# KiCad board input-output.Media.kicad_pcb (continued)
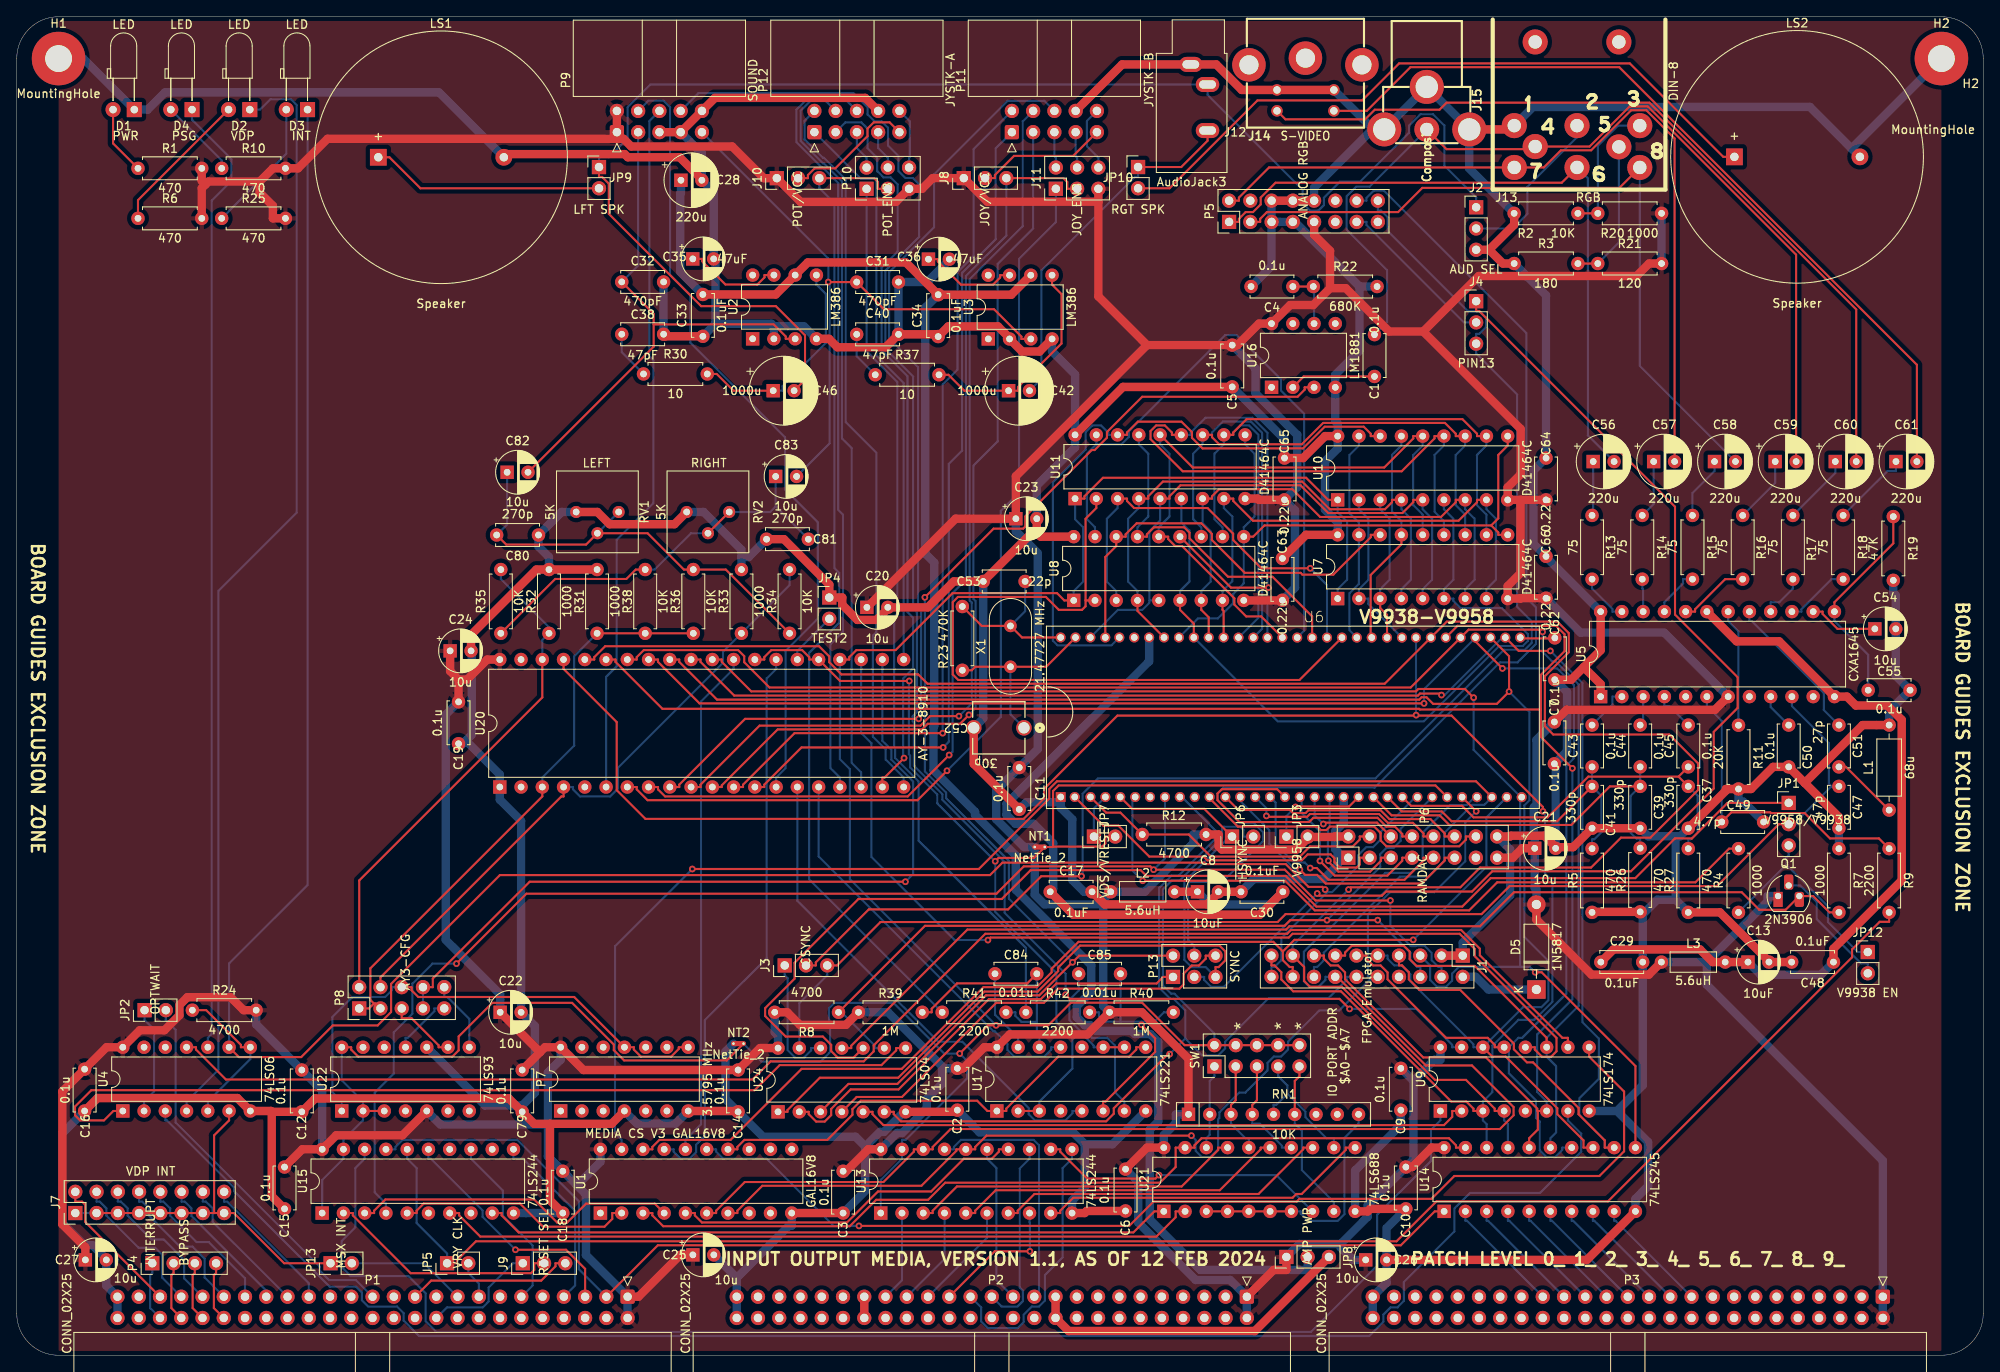
[diagram p0: board, top side]
## Footprints (pads in the part's own frame, mm; a bottom-side part is the same pattern mirrored in y, then rotated) (continued)
TO-92_HandSolder
  rect 1.1x1.8 hole 0.75: 1(0,0)
  rrect 1.1x1.8 hole 0.75: 2(1.27,1.27) 3(2.54,0)

## Nets
+12V: JP8.3 P2.19 P2.20
-12V: P2.37 P2.38
/VDP/VCCO: D5.1 J1.2
GND: C2.2 C3.2 C4.2 C5.2 C6.2 C7.2 C8.2 C9.2 C10.2 C11.2 C12.2 C13.2 C14.2 C15.2 C16.2 C17.2 C18.2 C19.2 C20.2 C21.2 C22.2 C23.2 C24.2 C25.2 C26.2 C27.2 C28.2 C29.2 C30.2 C31.2 C32.2 C33.1 C34.1 C35.2 C36.2 C37.2 C38.2 C39.2 C40.2 C41.2 C47.2 C48.2 C49.2 C50.2 C52.2 C53.2 C54.2 C55.2 C62.2 C63.2 C64.2 C65.2 C66.2 C79.2 C80.1 C81.2 D1.1 H1.1 H2.1 J1.1 J1.3 J2.3 J12.S J13.1 J14.1 J14.2 J15.2 JP4.1 L1.2 LS1.2 LS2.2 NT2.1 P1.49 P1.50 P2.49 P2.50 P3.49 P3.50 P5.5 P5.6 P5.7 P5.8 P5.10 P6.1 P6.16 P7.4 P7.7 P9.5 P9.7 P9.10 P11.8 P12.8 R2.1 R3.1 R5.1 R7.1 R11.2 R19.2 R22.2 R26.1 R27.1 R31.2 R32.2 R33.2 RV1.1 RV2.1 U1.10 U2.2 U2.4 U3.2 U3.4 U4.7 U5.1 U5.24 U6.1 U6.20 U7.18 U8.18 U9.8 U10.18 U11.18 U13.10 U14.10 U15.10 U16.4 U17.8 U20.1 U21.10 U22.10 U24.7
VCC: C2.1 C3.1 C5.1 C6.1 C7.1 C9.1 C10.1 C11.1 C12.1 C14.1 C15.1 C16.1 C18.1 C19.1 C20.1 C21.1 C22.1 C23.1 C24.1 C25.1 C26.1 C27.1 C63.1 C64.1 C65.1 C66.1 C79.1 D5.2 J8.1 J10.1 J11.5 JP3.2 JP8.1 L2.1 L3.1 NT1.1 P1.1 P1.2 P2.1 P2.2 P3.1 P3.2 P5.9 P6.2 P6.15 P7.14 P9.1 P9.2 P10.5 Q1.1 R1.2 R6.2 R8.2 R10.2 R12.2 R20.2 R21.2 R24.2 R25.2 R39.1 R40.1 RN1.1 U1.20 U4.14 U5.7 U7.9 U8.9 U9.16 U10.9 U11.9 U13.20 U14.20 U15.20 U16.8 U17.16 U20.40 U21.20 U22.5 U24.14
VCCRGB: C13.1 C29.1 C48.1 L3.2 U5.12 U5.19
VCCVDP: C8.1 C17.1 C30.1 L2.2 U6.58
/ACR/STATUS-PSG: U4.11 U9.10
/ACR/STATUS-VDP: U4.3 U9.7
/Amplifier/AMPPWR: C28.1 C33.2 C34.2 JP8.2 U2.6 U3.6
/Amplifier/R-CH: C42.2 J12.R JP10.1
/bus/A8: P2.17
/bus/A9: P2.15
/bus/A10: P2.13
/bus/A11: P2.11
/bus/A12: P2.9
/bus/A13: P2.7
/bus/A14: P2.5
/bus/A15: P2.3
/bus/A16: P2.36
/bus/A17: P2.34
/bus/A18: P2.32
/bus/A19: P2.30
/bus/A20: P2.28
/bus/A21: P2.26
/bus/A22: P2.24
/bus/A23: P2.22
/bus/A24: P2.18
/bus/A25: P2.16
/bus/A26: P2.14
/bus/A27: P2.12
/bus/A28: P2.10
/bus/A29: P2.8
/bus/A30: P2.6
/bus/A31: P2.4
/bus/AUXCLK0: P2.48
/bus/AUXCLK1: P2.47
/bus/AUXCLK2: P3.48
/bus/AUXCLK3: P3.46
/bus/CRUCLK: P1.14
/bus/CRUIN: P1.18
/bus/CRUOUT: P1.16
/bus/D8: P3.17
/bus/D9: P3.15
/bus/D10: P3.13
/bus/D11: P3.11
/bus/D12: P3.9
/bus/D13: P3.7
/bus/D14: P3.5
/bus/D15: P3.3
/bus/D16: P3.34
/bus/D17: P3.32
/bus/D18: P3.30
/bus/D19: P3.28
/bus/D20: P3.26
/bus/D21: P3.24
/bus/D22: P3.22
/bus/D23: P3.20
/bus/D24: P3.18
/bus/D25: P3.16
/bus/D26: P3.14
/bus/D27: P3.12
/bus/D28: P3.10
/bus/D29: P3.8
/bus/D30: P3.6
/bus/D31: P3.4
/bus/E: P1.4
/bus/I2C_SCL: P1.47
/bus/I2C_SDA: P1.48
/bus/IC0: P2.45
/bus/IC1: P2.43
/bus/IC2: P2.41
/bus/IC3: P2.39
/bus/IPL0: P3.47
/bus/IPL1: P3.45
/bus/IPL2: P3.43
/bus/LDS: P3.38
/bus/PHI: P1.8
/bus/S0: P3.44
/bus/S1: P3.42
/bus/S2: P3.40
/bus/ST: P1.6
/bus/UDS: P3.36
/bus/USER0: P1.38
/bus/USER1: P1.36
/bus/USER2: P1.34
/bus/USER3: P1.32
/bus/USER4: P1.30
/bus/USER5: P1.28
/bus/USER6: P1.26
/bus/USER7: P1.24
/bus/USER8: P1.22
/bus/~{BHE}: P3.41
/bus/~{BUSACK}: P1.13
/bus/~{BUSERR}: P3.35
/bus/~{BUSRQ}: P1.23
/bus/~{DREQ0}: P2.46
/bus/~{DREQ1}: P2.42
/bus/~{HALT}: P1.27
/bus/~{INT1}: P1.12
/bus/~{INT2}: P1.10
/bus/~{MREQ}: P1.9
/bus/~{NMI}: P1.19
/bus/~{RFSH}: P1.29
/bus/~{TEND0}: P2.44
/bus/~{TEND1}: P2.40
/bus/~{VMA}: P3.39
/bus/~{VPA}: P3.37
/PSG/CLK_AY3: P7.8 P7.11 P8.6 U22.1
/PSG/JOYAD: P12.2 U20.20
/PSG/JOYAF: P12.6 U20.17
/PSG/JOYAL: P12.3 U20.19
/PSG/JOYAR: P12.4 U20.18
/PSG/JOYAU: P12.1 U20.21
/PSG/JOYBD: P11.2 U20.12
/PSG/JOYBF: P11.6 U20.9
/PSG/JOYBG: J8.3 J11.3 U20.8
/PSG/JOYBH: J11.1 U20.7
/PSG/JOYBL: P11.3 U20.11
/PSG/JOYBR: P11.4 U20.10
/PSG/JOYBU: P11.1 U20.13
/PSG/POTA1: J10.3 P10.3 R41.1
/PSG/POTA2: P10.1 R42.1
/PSG/PWA1: U17.13 U20.16
/PSG/PWA2: U17.5 U20.15
/PSG/SPAREA: P9.4 U20.14
/PSG/SPAREB: P9.6 U20.6
/VDP/AD0: U6.49 U7.14 U8.14 U10.14 U11.14
/VDP/AD1: U6.50 U7.13 U8.13 U10.13 U11.13
/VDP/AD2: U6.51 U7.12 U8.12 U10.12 U11.12
/VDP/AD3: U6.52 U7.11 U8.11 U10.11 U11.11
/VDP/AD4: U6.53 U7.8 U8.8 U10.8 U11.8
/VDP/AD5: U6.54 U7.7 U8.7 U10.7 U11.7
/VDP/AD6: U6.55 U7.6 U8.6 U10.6 U11.6
/VDP/AD7: U6.56 U7.10 U8.10 U10.10 U11.10
/VDP/AUDIO: J2.2 J13.2
/VDP/AV: J13.3 R2.2 R20.1
/VDP/BLANK: U6.7
/VDP/BLUE: C37.1 C45.1 R27.2 U6.24
/VDP/BOUT: C58.2 J13.8 P5.3
/VDP/C0: P6.5 U6.19
/VDP/C1: P6.6 U6.18
/VDP/C2: P6.7 U6.17
/VDP/C3: P6.8 U6.16
/VDP/C4: P6.9 U6.15
/VDP/C5: P6.10 U6.14
/VDP/C6: P6.11 U6.13
/VDP/C7: P6.12 U6.12
/VDP/CBDR: P6.14 U6.11
/VDP/CHROMA: C61.2 J14.4
/VDP/COMP: C1.1 C59.2 J13.4 J15.1
/VDP/GOUT: C57.2 J13.7 P5.2
/VDP/GREEN: C39.1 C44.1 R26.2 U6.22
/VDP/LUMA: C60.2 J14.3
/VDP/RED: C41.1 C43.1 R5.2 U6.23
/VDP/ROUT: C56.2 J13.6 P5.1
/VDP/SYNCIN: C47.1 J3.3 JP1.2 U5.10 U24.13
/VDP/VBY: U6.10
/VDP/VD0: U6.41 U7.2 U10.2
/VDP/VD1: U6.42 U7.3 U10.3
/VDP/VD2: U6.43 U7.15 U10.15
/VDP/VD3: U6.44 U7.17 U10.17
/VDP/VD4: U6.45 U8.2 U11.2
/VDP/VD5: U6.46 U8.3 U11.3
/VDP/VD6: U6.47 U8.15 U11.15
/VDP/VD7: U6.48 U8.17 U11.17
/VDP/VGA-CSYNC: J3.2 J4.3 P5.16
/VDP/VGA-HSYNC: J4.1 P13.3
/VDP/VGA-VSYNC: P5.14 P13.4
/VDP/VSYNC: P13.2 U16.3 U24.3
/VDP/YS: J13.5 R3.2 R21.1
/VDP/~{CAS0}: U6.61 U7.16 U8.16
/VDP/~{CAS1}: U6.60 U10.16 U11.16
/VDP/~{CSYNC}: R4.2 U6.6
/VDP/~{DHCLK}: P6.3 U6.2
/VDP/~{DLCLK}: P6.4 R12.1 U6.3
/VDP/~{HSYNC}: JP6.1 P13.5 U6.5 U24.1
/VDP/~{RAS}: U6.62 U7.5 U8.5 U10.5 U11.5
/VDP/~{VRW}: U6.57 U7.4 U8.4 U10.4 U11.4
/VDP/~{VSYNC}: P13.6 U24.4
A0: P2.35 U13.2
A1: P2.33 U13.4
A2: P2.31 U13.6
A3: P2.29 U13.8
A4: P2.27 U13.11
A5: P2.25 U13.13
A6: P2.23 U13.15
A7: P2.21 U13.17
ACR5: P9.8 U9.15
AUDIO_L: C32.1 C82.2 P9.3 U2.3
AUDIO_R: C31.1 C83.2 P9.9 U3.3
bA0: J1.14 U1.6 U6.29 U13.18
bA1: J1.10 U1.7 U6.28 U13.16
bA2: U1.5 U13.14
bA3: U13.12 U21.8
bA4: U13.9 U21.11
bA5: U13.7 U21.13
bA6: U13.5 U21.15
bA7: U13.3 U21.17
bD0: J1.19 U6.40 U9.3 U14.18 U20.37
bD1: J1.17 U6.39 U9.4 U14.17 U20.36
bD2: J1.15 U6.38 U9.6 U14.16 U20.35
bD3: J1.13 U6.37 U9.11 U14.15 U20.34
bD4: J1.11 U6.36 U9.13 U14.14 U20.33
bD5: J1.9 U6.35 U9.14 U14.13 U20.32
bD6: J1.7 U6.34 U14.12 U20.31
bD7: J1.5 U6.32 U14.11 U20.30
CLK: JP5.2 P1.15
D0: P3.33 U14.2
D1: P3.31 U14.3
D2: P3.29 U14.4
D3: P3.27 U14.5
D4: P3.25 U14.6
D5: P3.23 U14.7
D6: P3.21 U14.8
D7: P3.19 U14.9
L-CH: C46.2 J2.1 J12.T JP9.1
ONE: JP7.2 NT1.2 U6.27 U17.2 U17.3 U17.10 U17.11 U20.25 U20.28
VRY: J1.4 U6.8 U15.4
VRY_CLK: JP5.1 R9.2 U15.16
ZERO: JP6.2 NT2.2 SW1.2 SW1.4 SW1.6 SW1.8 SW1.10 U7.1 U8.1 U10.1 U11.1 U13.1 U13.19 U15.1 U15.19 U20.24 U22.2 U22.3 U22.14
~{BAI}: P1.40 P4.4
~{BAO}: P1.42 P4.3
~{bIORQ}: U15.9 U21.1
~{bM1}: U15.7 U21.2
~{bRD}: U1.4 U15.3
~{bRESET}: U9.1 U15.18
~{bWR}: U1.2 U15.5
~{CS_ACR_WR}: U1.15 U9.9
~{CS_ACR}: U1.14 U17.1 U17.9
~{CS_MEDIA}: U1.3 U14.19 U21.19
~{CS_PSG_A0}: U1.16 U20.29
~{CS_PSG_WR}: U1.17 U20.27
~{EIRQ0}: J7.2 P1.45
~{EIRQ1}: J7.4 P1.43
~{EIRQ2}: J7.6 P1.41
~{EIRQ3}: J7.8 P1.39
~{EIRQ4}: J7.10 P1.37
~{EIRQ5}: J7.12 P1.35
~{EIRQ6}: J7.14 P1.33
~{EIRQ7}: J7.16 P1.31
~{IEI}: P1.44 P4.2
~{IEO}: P1.46 P4.1
~{INT0}: JP13.2 P1.17
~{IORQ}: P1.7 U15.11
~{LPS-WAIT}: J1.6 R8.1 U6.26 U24.9
~{M1}: P1.11 U15.13
~{RD}: P1.3 U14.1 U15.17
~{RES_IN}: J9.1 P1.20
~{RES_OUT}: J9.3 P1.21
~{RESAY3}: U9.12 U20.23
~{RESVDP}: J1.12 U6.9 U24.6
~{VDP_RD}: J1.18 U1.18 U6.31
~{VDP_WR}: J1.16 U1.19 U6.30
~{VINT}: D3.1 J1.20 U4.9 U6.25
~{WAIT}: JP2.2 P1.25
~{WR}: P1.5 U15.15
Net-(C1-Pad2): C1.2 U16.2
Net-(C4-Pad1): C4.1 R22.1 U16.6
Net-(C35-Pad1): C35.1 U2.7
Net-(C36-Pad1): C36.1 U3.7
Net-(C38-Pad1): C38.1 R30.1
Net-(C40-Pad1): C40.1 R37.1
Net-(C42-Pad1): C42.1 R37.2 U3.5
Net-(C43-Pad2): C43.2 U5.2
Net-(C44-Pad2): C44.2 U5.3
Net-(C45-Pad2): C45.2 U5.4
Net-(C46-Pad1): C46.1 R30.2 U2.5
Net-(C49-Pad1): C49.1 R9.1 U5.6
Net-(C50-Pad1): C50.1 U5.9
Net-(C51-Pad1): C51.1 U5.17
Net-(C51-Pad2): C51.2 L1.1
Net-(C52-Pad1): C52.1 R23.2 U6.63 X1.1
Net-(C53-Pad1): C53.1 R23.1 U6.64 X1.2
Net-(C54-Pad1): C54.1 U5.14
Net-(C55-Pad1): C55.1 R19.1 U5.13
Net-(C56-Pad1): C56.1 R13.1
Net-(C57-Pad1): C57.1 R14.1
Net-(C58-Pad1): C58.1 R15.1
Net-(C59-Pad1): C59.1 R16.1
Net-(C60-Pad1): C60.1 R17.1
Net-(C61-Pad1): C61.1 R18.1
Net-(C62-Pad1): C62.1 U6.33
Net-(C80-Pad2): C80.2 C82.1 R34.1 R36.2 RV1.2 RV1.3
Net-(C81-Pad1): C81.1 C83.1 R35.1 R38.2 RV2.2 RV2.3
Net-(C84-Pad1): C84.1 U17.15
Net-(C84-Pad2): C84.2 R39.2 R41.2 U17.14
Net-(C85-Pad1): C85.1 U17.7
Net-(C85-Pad2): C85.2 R40.2 R42.2 U17.6
Net-(D1-Pad2): D1.2 R1.1
Net-(D2-Pad1): D2.1 U4.4
Net-(D2-Pad2): D2.2 R6.1
Net-(D3-Pad2): D3.2 R25.1
Net-(D4-Pad1): D4.1 U4.10
Net-(D4-Pad2): D4.2 R10.1
Net-(J3-Pad1): J3.1 U24.12
Net-(J4-Pad2): J4.2 P5.13
Net-(J7-Pad1): J7.1 J7.3 J7.5 J7.7 J7.9 J7.11 J7.13 J7.15 JP13.1 U4.6
Net-(J8-Pad2): J8.2 P11.9
Net-(J9-Pad2): J9.2 U15.2
Net-(J10-Pad2): J10.2 P12.9
Net-(J11-Pad2): J11.2 P11.5
Net-(J11-Pad4): J11.4 P11.7
Net-(J11-Pad6): J11.6 P11.10
Net-(JP1-Pad1): JP1.1 U24.10
Net-(JP1-Pad3): JP1.3 JP12.1 R4.1
Net-(JP2-Pad1): JP2.1 U4.2
Net-(JP3-Pad1): JP3.1 U6.21
Net-(JP4-Pad2): JP4.2 U20.26
Net-(JP7-Pad1): JP7.1 U6.4
Net-(JP9-Pad2): JP9.2 LS1.1
Net-(JP10-Pad2): JP10.2 LS2.1
Net-(JP12-Pad2): JP12.2 Q1.2
Net-(P8-Pad1): P8.1 P8.3 R31.1 R36.1 R38.1 U20.3
Net-(P8-Pad2): P8.2 R32.1 R35.2 U20.38
Net-(P8-Pad4): P8.4 R33.1 R34.2 U20.4
Net-(P8-Pad5): P8.5 U22.9
Net-(P8-Pad7): P8.7 P8.8 U20.22
Net-(P8-Pad9): P8.9 U22.11
Net-(P8-Pad10): P8.10 U22.8
Net-(P10-Pad2): P10.2 P12.5
Net-(P10-Pad4): P10.4 P12.7
Net-(P10-Pad6): P10.6 P12.10
Net-(P13-Pad1): P13.1 U24.2
Net-(Q1-Pad3): Q1.3 R7.2 U24.11
Net-(R11-Pad1): R11.1 U5.18
Net-(R13-Pad2): R13.2 U5.23
Net-(R14-Pad2): R14.2 U5.22
Net-(R15-Pad2): R15.2 U5.21
Net-(R16-Pad2): R16.2 U5.20
Net-(R17-Pad2): R17.2 U5.16
Net-(R18-Pad2): R18.2 U5.15
Net-(R24-Pad1): R24.1 U4.5 U4.8
Net-(RN1-Pad2): RN1.2 SW1.1 U21.18
Net-(RN1-Pad3): RN1.3 SW1.3 U21.16
Net-(RN1-Pad4): RN1.4 SW1.5 U21.14
Net-(RN1-Pad5): RN1.5 SW1.7 U21.12
Net-(RN1-Pad6): RN1.6 SW1.9 U21.9
Net-(RN1-Pad9): RN1.9 U21.3 U21.4 U21.5 U21.6 U21.7
Net-(U24-Pad5): U9.2 U24.5
Net-(U24-Pad8): U4.1 U24.8

Pads without a net: J1 8; J13 ~; J14 ~; P5 4 11 12 15; P6 13; P7 1 2 3 5 6 9 10 12 13; RN1 7 8; U1 1 8 9 11 12 13; U2 1 8; U3 1 8; U4 12 13; U5 5 8 11; U6 59; U9 5; U15 6 8 12 14; U16 1 5 7; U17 4 12; U20 2 5 39; U22 4 6 7 12 13

## Via types
v1: diameter 0.8, hole 0.4, Top to Bottom, 59 vias

## Routing (per net, layer and track width the routed paths; a pad name or vN(x,y) marks a point on that pad's centre or on a via; arc(x,y) is an arc through that point)
+12V: length 39.5
  Top w1: P2.19 P2.20 125.7,2.9 147.95,2.9 JP8.3
-12V: length 2.5
  Top w1: P2.38 P2.37
/VDP/VCCO: length 9.4
  Bottom w1: J1.2 174.35,45.24 175.87,43.72 D5.1
GND: length 1373.7
  Top w1: 121.89,98.32 121.32,98.32 C53.2 111.98,92.5 108.88,89.4 C20.2 104.09,89.24 102.75,87.9 100.45,87.9 98.65,89.7 98.65,90.57 JP4.1 97.1,92.13 91.68,97.55 C81.2 ; 121.89,98.32 C23.2 ; 121.89,98.32 122.37,97.85 U8.18 ; U7.18 154.07,98.07 C63.2 ; U1.10 C3.2 ; C5.2 132.2,115.75 U11.18 ; 30.48,29.1 C12.2 35.67,30.7 58.8,30.7 C79.2 61.83,27.67 63.72,27.67 ; 30.48,29.1 30.38,29.2 U4.7 26.37,30.75 9.66,30.75 C16.2 ; 30.48,29.1 30.48,19.02 C15.2 ; J13.1 178.5,146.53 J15.2 ; U21.10 161.44,17.2 161.74,17.5 C10.2 ; U13.10 127.61,17 127.86,17.25 C6.2 ; U10.18 156.35,109.87 153.73,107.25 C65.2 ; J1.1 J1.3 ; 187.25,82.25 185.75,80.75 C62.2 ; 187.25,82.25 189.28,80.23 U5.1 ; 187.25,82.25 189.28,84.27 U5.24 ; C26.2 187.63,11.4 U14.10 ; P5.6 P5.8 P5.10 ; 183.9,60.74 182.54,62.1 178.54,62.1 178.46,62.01 P6.16 ; 183.9,60.74 185.99,60.74 C41.2 C39.2 ; 183.9,60.74 C21.2 ; R31.2 R32.2 62.1,93.92 54.29,86.11 C24.2 ; C14.2 86.1,29.2 P7.7 ; C33.1 77.55,121.8 C38.2 ; R2.1 178.94,135.13 175.95,132.14 ; C11.2 114.36,70.69 C52.2 ; C28.2 81.87,140.55 79.21,143.21 73.02,143.21 72.64,143.58 58.59,143.58 LS1.2 ; P7.4 71.09,27.67 63.72,27.67 ; U2.4 97.06,121.5 98.07,120.49 103.83,120.49 C40.2 109.84,122.03 C34.1 111.33,122.99 117.25,122.99 118.64,121.6 U3.2 120.14,119.98 122.22,119.98 U3.4 ; 175.95,132.14 177.6,130.5 R3.1 ; 175.95,132.14 J2.3 ; 213.67,68.41 220.58,75.33 L1.2 ; 213.67,68.41 217.75,64.33 C47.2 ; 213.67,68.41 C50.2 209.89,70.33 207.25,67.69 R11.2 204.25,67.69 204.25,67.5 C37.2 ; 63.72,27.67 63.72,18.53 C18.2 ; J14.2 J14.1 146.39,151.25 143.34,154.3 J12.S 132.1,154.3 P11.8 ; C30.2 C8.2 143.6,55.27 142.22,53.9 130,53.9 C17.2 ; RV1.1 69.39,100.8 70.85,99.34 78.6,99.34 RV2.1 ; P9.5 P9.7 P9.10 83.44,150.3 101.38,150.3 P12.8 ; C48.2 C13.2 209.38,47.09 203.54,52.94 R27.1 ; U24.7 112.2,29.1 C2.2 ; R5.1 188.31,53 R26.1
  Bottom w1: 191.23,29.2 U9.8 ; 191.23,29.2 194.3,32.27 C29.2 194.3,52.7 ; 191.23,29.2 194.94,25.49 194.94,20.21 193.44,18.7 U14.10 ; 127.63,25.22 127.63,20.03 126.11,18.5 U13.10 ; 127.63,25.22 126.21,26.65 115.05,26.65 C2.2 ; 127.63,25.22 130.93,25.22 U17.8 ; 101.4,24.95 103.16,26.7 103.63,26.7 106.03,29.1 U24.7 ; 101.4,24.95 101.4,19.65 C3.2 ; 101.4,24.95 100.23,26.12 89.18,26.12 C14.2 84.69,30.6 84.69,36.29 NT2.1 ; C21.2 183.9,70.55 C7.2 185.26,72.21 185.26,79.29 C62.2 ; 60.4,29.86 61.92,31.38 61.92,39.35 C22.2 60.27,63.88 57.72,66.42 U20.1 57.72,69.43 53.68,73.47 ; 60.4,29.86 55.96,29.86 U22.10 ; 60.4,29.86 C79.2 ; P1.50 P1.49 10.7,8.34 C27.2 10.7,11.51 9.05,13.16 8.08,13.16 5.45,15.8 5.45,26.54 C16.2 ; 219.25,144.25 LS2.2 ; 219.25,144.25 H2.1 ; 219.25,144.25 214.29,149.22 181.19,149.22 J13.1 ; C36.2 111.45,130.92 108.81,128.28 C31.2 C40.2 ; C49.2 206.31,66.19 205.75,66.19 R11.2 ; P3.50 P3.49 163.7,8.66 C26.2 163.7,15.2 C10.2 ; 160.46,127.75 152.73,135.47 P5.7 P5.5 ; 160.46,127.75 R22.2 ; 160.46,127.75 160.46,120.09 157.57,117.2 U16.4 157.57,111.65 157.85,111.37 U10.18 157.85,108.37 156.34,106.86 156.34,101.09 157.85,99.57 U7.18 ; P2.50 P2.49 86.04,9.26 ; 162,146.53 J15.2 J15.2 J15.2 173.58,141.86 R2.1 ; 162,146.53 162,146.65 J14.2 ; 162,146.53 155.03,139.57 P5.10 ; C11.2 120.65,66.1 124.75,66.1 ; P6.16 178.46,60.46 178.46,54.98 172.8,49.33 J1.1 ; 198.24,62.04 198.24,54.45 ; 198.24,62.04 198.79,62.04 C37.2 ; 198.24,62.04 194.96,62.04 C39.2 ; 198.24,54.45 R27.1 ; 198.24,54.45 196.05,54.45 194.3,52.7 ; 90.48,123 94.06,123 U2.4 ; 90.48,123 90.18,123.3 83.49,123.3 ; 90.48,123 U2.2 ; R3.1 182.75,126.69 C64.2 181.25,105.75 181.25,97 C66.2 182.75,95.41 U5.24 ; 86.04,9.26 92.28,15.5 92.61,15.5 U1.10 ; 86.04,9.26 C25.2 ; 83.49,123.3 C33.1 ; 83.49,123.3 83.49,130.84 C35.2 83.29,139.04 C28.2 81.87,143.67 P9.7 ; C4.2 149.96,130.2 P5.5 ; P7.7 78.74,27.7 74.12,27.7 P7.4 ; C52.2 115.5,76.14 C53.2 ; 53.68,73.47 53.05,72.85 C19.2 ; 53.68,73.47 54.37,74.16 54.37,84.12 C24.2 ; C81.2 87.47,95.42 86.6,95.42 ; 157.84,59.47 157.84,60.23 157.56,60.52 157.56,62.64 158.57,63.65 U6.20 ; 157.84,59.47 P6.1 ; 157.84,59.47 157.84,58.61 156.16,56.92 147.82,56.92 C30.2 ; C38.2 C32.2 ; 194.3,52.7 R26.1 ; R32.2 63.6,95.42 62.35,96.67 C80.1 65.1,100.8 RV1.1 ; 124.75,66.1 124.75,65.45 126.14,64.06 126.14,56.81 127.55,55.4 C17.2 ; 124.75,66.1 U6.1 ; H1.1 7.95,155 D1.1 15.65,148.9 17.71,150.96 50.45,150.96 LS1.2 ; 86.6,95.42 R33.2 ; 86.6,95.42 86.6,96.28 82.08,100.8 RV2.1 ; C18.2 U15.10 ; U21.10 159.94,22.09 165.4,27.56 C9.2 ; C65.2 151.5,109.5 C5.2 ; P5.5 P5.6 ; C47.2 R7.1 ; R19.2 224.25,91.13 224.54,90.83 C54.2 224.54,81.21 C55.2 223.75,77 L1.2 ; U3.4 123.72,119.98 126.47,117.23 U11.18 126.47,108.52 121.89,103.94 C23.2
VCC: length 1084.7
  Top w1: U21.20 135.07,24.82 C6.1 ; U11.9 148.29,102.4 148.44,102.25 C65.1 ; J11.5 129.25,137.88 ; 129.25,137.88 129.25,126.56 135.07,120.75 ; 129.25,137.88 116,137.88 J8.1 109.47,140.71 108.19,139.43 P10.5 105.08,137.87 93.66,137.87 J10.1 89.28,140.7 85.5,144.49 73.43,144.49 72.51,145.41 71.72,145.41 ; JP8.1 151.72,10.2 150.2,10.2 P2.1 ; 71.72,145.41 P9.1 P9.2 ; 71.72,145.41 37.14,145.41 33.61,141.88 R10.2 30.61,141.88 29.03,140.3 ; 22.55,139.94 22.11,140.38 R1.2 ; 22.55,139.94 22.9,140.3 29.03,140.3 ; 22.55,139.94 22.11,139.5 R6.2 ; 168.08,122.37 174.7,129 193.56,129 195.06,130.5 R21.2 ; 168.08,122.37 179.73,110.72 179.73,105.31 178.17,103.75 U10.9 179.71,102.25 ; 168.08,122.37 164,122.37 158.82,127.55 156.94,127.55 ; U5.7 202.94,77.15 185.2,77.15 C7.1 ; U14.20 169.07,24.82 166.75,22.5 C10.1 ; 135.07,120.75 119.39,105.07 C23.1 112.19,100 C20.1 ; 135.07,120.75 C5.1 145.88,120.75 148.45,123.32 U16.8 152.16,125.53 154.93,125.53 156.94,127.55 ; 154.31,61.95 157.51,61.95 157.57,62.01 P6.2 ; 154.31,61.95 JP3.2 ; 154.31,61.95 154.31,61.84 152.92,60.45 144.01,60.45 143.62,60.84 143.62,62.25 R12.2 ; U13.20 101.75,24.62 99.13,22 C3.1 ; 52.79,80.78 C19.1 ; 52.79,80.78 53.84,80.78 56.22,83.16 57.72,83.16 ; 52.79,80.78 51.79,81.78 C24.1 ; 62.53,36.23 C22.1 ; 62.53,36.23 63.12,36.82 P7.14 67.72,34.1 C14.1 88.82,36.72 U24.14 ; 62.53,36.23 C79.1 ; C15.1 34.12,24.62 U15.20 38.17,26.29 46.09,26.29 U22.5 ; C21.1 179.9,60.6 178.77,59.47 P6.15 ; U8.9 151.23,90.23 C63.1 ; R39.1 99.09,39.5 93.58,39.5 92.08,41 R8.2 ; 179.71,102.25 179.71,93.49 178.17,91.95 U7.9 179.67,90.45 179.72,90.5 C66.1 ; 179.71,102.25 C64.1 ; P5.9 155.03,133.92 156.94,132.02 156.94,127.55 ; 29.03,140.3 29.03,138.98 30.61,137.4 30.61,135.9 R25.2 ; L3.1 195.04,45.5 188.18,45.5 181.6,52.08 D5.2 ; C27.1 8.2,12.9 5.45,15.65 5.45,31.54 C16.1 10.73,36.82 U4.14 14.71,38.85 17.65,38.85 19.44,40.64 19.44,41.85 20.39,42.8 25.56,42.8 27.11,41.25 R24.2 ; C2.1 113.1,34.3 115.62,36.82 U17.16 118.66,38.36 127.95,38.36 R40.1 134.46,41 140.03,35.44 RN1.1 ; P1.1 74.3,7 79.3,12 C25.1
  Bottom w1: C66.1 186.87,86.38 196.86,86.38 U5.7 ; C23.1 119.39,98.5 122.01,95.89 122.01,72.46 C11.1 117.05,67.5 117.05,64.08 120.38,60.75 NT1.1 121.65,55.06 122.81,53.9 129.83,53.9 ; P2.2 P2.1 145,9 140.88,9 134.02,15.86 134.02,20.73 C6.1 ; 129.83,53.9 129.83,54.49 L2.1 134.79,55.4 140.62,61.23 140.62,62.25 R12.2 ; 129.83,53.9 129.83,41.76 R40.1 ; R24.2 28.61,39.56 C12.1 36.5,31.66 U15.20 ; Q1.1 209.23,54.89 209.23,54.26 201.96,47 ; 63.48,27.59 63.48,23.77 C18.1 66.94,20.31 ; 63.48,27.59 50.61,27.59 U22.5 ; 63.48,27.59 63.48,33.8 65,35.32 P7.14 ; 110.57,34.3 C2.1 ; 110.57,34.3 110.57,34.55 104.12,41 R39.1 ; 110.57,34.3 110.57,32.47 108.74,30.64 108.74,29.5 105.81,26.57 105.2,26.57 U13.20 ; 66.94,20.31 69.75,23.12 U1.20 ; 66.94,20.31 68.02,19.23 68.02,11.98 P1.1 P1.2 ; P3.2 P3.1 223,23.25 201.96,44.29 201.96,47 ; 201.96,47 L3.1 ; 166.9,32.8 166.9,23.4 C10.1 161.44,17.94 161.44,16.55 158.19,13.31 ; 166.9,32.8 169.42,35.32 170.12,35.32 U9.16 ; 166.9,32.8 C9.1 ; JP8.1 153.28,13.31 158.19,13.31 ; C19.1 51.26,76.57 51.26,49.65 57.77,43.15 C22.1 ; R21.2 R20.2 ; C26.1 159.7,11.4 158.19,12.91 158.19,13.31 ; D5.2 181.6,55.68 181.4,55.88 C21.1 181.4,62.1 181.28,62.22 181.28,65.48 181.6,65.8 181.6,73.55 C7.1 ; RN1.1 138.52,28.8 138.52,27.77 137.07,26.32 U21.20 ; C63.1 152.76,91.76 152.76,100.99 C65.1 153.02,103.77 153.02,110.02 148.02,115.02 148.02,117.98 C5.1 ; U24.14 90.97,38.22 90.58,38.62 R8.2
VCCRGB: length 91.3
  Top w1: U5.19 205.53,85.34 210.61,85.34 U5.12 218.72,78.73 219.78,77.67 223.54,77.67 225.26,75.96 225.26,56.76 217.1,48.6 C48.1 ; C13.1 L3.2 202.66,47 201.15,48.51 190.81,48.51 C29.1
  Bottom w1: C13.1 208.4,45.49 215.59,45.49 C48.1
VCCVDP: length 85.5
  Top w1: L2.2 C8.1 ; C17.1 126.23,52.67 148.57,52.67 C30.1
  Bottom w1: C8.1 142.62,53.88 149.78,53.88 C30.1 ; U6.58 135.32,82.95 118.27,65.9 118.27,64.6 119.35,63.53 121.52,63.53 123.86,61.19 123.86,55.76 C17.1
/ACR/STATUS-PSG: length 181.6
  Top w0.25: 20.3,36.82 21.42,36.82 21.42,36.54 24.99,32.97 87.92,32.97 90.09,35.13 101.22,35.13 102.41,36.32 102.41,37.04 115.74,50.38 151.82,50.38 152.27,50.83 172.61,50.83 174.84,48.6 174.84,47.81 184.7,37.95 185.37,37.95 U9.10
/ACR/STATUS-VDP: length 200.4
  Bottom w0.25: 17.76,29.2 17.76,28.07 17.94,28.07 25.97,20.04 25.97,19.63 37.41,8.19 40.56,8.19 41.25,7.5 41.25,6.57 41.99,5.82 45.45,5.82 46.24,5.04 46.24,4.15 48.08,2.3 161.62,2.3 163.31,3.99 163.31,4.86 164.18,5.73 165.01,5.73 165.76,6.47 165.76,8.75 171.8,14.8 171.8,17.54 173.67,19.4 182.03,19.4 186.95,24.33 186.95,26.49 185.37,28.07 U9.7
/Amplifier/AMPPWR: length 209.7
  Top w1: U3.6 118.84,126.77 C34.2 106.25,130.63 94.53,130.63 U2.6 90.7,126.8 C33.2
  Bottom w1: C34.2 108.57,125.23 108.57,95.82 109.65,94.75 109.65,75.25 109.55,75.15 109.55,69.93 114.52,64.96 114.52,64.6 119.38,59.73 119.38,55.63 128.41,46.6 128.41,43.46 126.68,41.73 126.68,40.4 127.64,39.45 128.28,39.45 128.96,38.77 133.25,38.77 133.62,38.4 135.47,38.4 136.41,37.47 136.41,27.96 135.4,26.95 135.4,16.25 141.44,10.2 154.26,10.2 JP8.2 ; C33.2 79.29,129.51 79.29,138.87 79.37,138.95 C28.1
/Amplifier/R-CH: length 43.2
  Top w0.25: J12.R 142.3,145.17 139.16,142.03 JP10.1
  Bottom w0.25: JP10.1 134,140.86 133.63,140.86 122.45,129.68 122.45,116.72 C42.2
/PSG/CLK_AY3: length 60.3
  Top w0.25: P7.8 79.11,36.82 79.11,36.62 78.19,35.69 74.59,35.69 73.75,36.54 73.75,36.82 P7.11 66.62,42.82 47.99,42.82 47.18,43.63 47.18,44 P8.6
  Bottom w0.25: P8.6 44.83,44 44.83,43.63 44.02,42.82 40.1,42.82 37.71,40.44 37.71,31.45 38.84,30.33 U22.1
/PSG/JOYAD: length 86.6
  Bottom w0.25: P12.2 94.14,147.56 94.14,145.33 96.34,143.14 96.46,143.14 99.07,140.53 99.07,111.54 102.72,107.89 102.72,86.43 102.31,86.02 102.31,73.94 103.84,72.42 103.84,71.2 105.99,69.05 U20.20
/PSG/JOYAF: length 93
  Bottom w0.25: P12.6 98.72,150.42 94.7,150.42 93.17,148.89 93.17,145.02 96.17,142.01 96.27,142.01 98.17,140.11 98.17,101.05 98.74,100.48 98.74,86.47 97.24,84.98 97.24,70.18 98.37,69.05 U20.17
/PSG/JOYAL: length 89.4
  Top w0.25: U20.19 103.44,69.05 103.69,69.05 v1(106.03,71.39)
  Bottom w0.25: v1(106.03,71.39) 105.93,71.49 105.93,80.9 107.11,82.08 107.11,88.17 106.45,88.83 106.45,117.03 103.34,120.14 103.34,130.01 105.27,131.95 105.27,139.95 104.43,140.79 103.57,140.79 102.82,141.54 102.82,143.12 101.67,144.28 101.67,146.63 100.93,147.38 99.04,147.38 P12.3
/PSG/JOYAR: length 89
  Bottom w0.25: P12.4 96.67,149.94 94.85,149.94 93.68,148.77 93.68,145.15 96.36,142.47 96.45,142.47 98.62,140.3 98.62,109.59 99.78,108.43 99.78,70.81 100.91,69.69 U20.18
/PSG/JOYAU: length 68.4
  Bottom w0.25: 105.99,83.16 105.99,116.22 102.73,119.48 102.73,140.46 102.59,140.61 100.92,140.61 P12.1
/PSG/JOYBD: length 105.6
  Top w0.25: U20.12 86.79,67.93 86.79,68.21 92.95,74.36 v1(110.65,74.36)
  Bottom w0.25: v1(110.65,74.36) 110.65,116.05 112.42,117.82 112.42,129.48 114.35,131.4 114.35,144.17 P11.2
/PSG/JOYBF: length 120.8
  Top w0.25: v1(107.79,76.08) 87.04,76.08 79.17,68.21 79.17,67.93 U20.9
  Bottom w0.25: P11.6 122.79,149.95 118.41,149.95 109.62,141.16 109.62,134.84 104.24,129.45 104.24,121.57 107.7,118.11 107.7,89.65 108.07,89.28 108.07,76.36 v1(107.79,76.08)
/PSG/JOYBG: length 119.9
  Top w0.25: U20.8 76.63,67.93 76.63,67.64 77.47,66.8 106.47,66.8 v1(111.42,71.75) ; J11.3 125.54,139.44 125.54,140.24 125.07,140.71 J8.3
  Bottom w0.25: v1(111.42,71.75) 111.83,72.16 111.83,91.1 113.43,92.7 113.43,129.01 118.25,133.84 J8.3
/PSG/JOYBH: length 115.4
  Top w0.25: U20.7 74.09,67.93 74.09,67.64 75.39,66.35 107.65,66.35 v1(111.17,69.87)
  Bottom w0.25: v1(111.17,69.87) 117.6,76.3 117.6,100.94 119.78,103.11 119.78,131.06 124.18,135.46 J11.1
/PSG/JOYBL: length 107.4
  Top w0.25: v1(113.78,76.54) 112.73,75.49 108.86,75.49 108.19,74.81 90.93,74.81 84.25,68.13 84.25,67.93 U20.11
  Bottom w0.25: P11.3 121.46,134.69 117.23,130.46 117.23,109.24 114.33,106.35 114.33,90.4 114.58,90.15 114.58,77.34 v1(113.78,76.54)
/PSG/JOYBR: length 111.9
  Top w0.25: U20.10 81.71,67.93 81.71,68.21 88.77,75.26 108,75.26 109.14,76.4 v1(112.59,76.4)
  Bottom w0.25: v1(112.59,76.4) 114.13,77.93 114.13,89.97 113.88,90.21 113.88,128.63 120.22,134.97 120.22,147.5 P11.4
/PSG/JOYBU: length 101.6
  Top w0.25: v1(110.7,72.65) 93.78,72.65 89.33,68.21 89.33,67.93 U20.13
  Bottom w0.25: v1(110.7,72.65) 111.38,73.33 111.38,106.54 112.98,108.14 112.98,129.39 116.99,133.4 116.99,144.27 P11.1
/PSG/POTA1: length 118
  Top w0.25: P10.3 102.92,139.43 102.92,140.24 102.45,140.7 J10.3
  Bottom w0.25: R41.1 94.69,56.9 94.69,83.96 98.29,87.56 98.29,93.51 97.72,94.08 97.72,137.72 95.91,139.53 J10.3
/PSG/POTA2: length 106.6
  Bottom w0.25: P10.1 101.56,120.01 105.23,116.34 105.23,88.64 104.86,88.27 104.86,72.67 104.96,72.56 104.96,71.39 107.77,68.59 107.77,61.52 120.59,48.7 R42.1
/PSG/PWA1: length 48.2
  Bottom w0.25: U20.16 95.82,59.62 116.73,38.71 116.88,38.71 118.4,37.2 118.4,36.49 119.19,35.69 122.78,35.69 123.62,36.54 123.62,36.82 U17.13
/PSG/PWA2: length 59.5
  Bottom w0.25: U17.5 126.16,29.2 126.16,28.92 125.32,28.07 121.67,28.07 120.94,28.81 120.94,29.55 113.01,37.47 110.13,37.47 93.28,54.32 U20.15
/PSG/SPAREA: length 95.3
  Bottom w0.25: P9.4 75.48,149.96 77.3,149.96 78.07,149.19 78.07,129.13 80.49,126.71 80.49,121.05 91.82,109.72 91.82,103.49 95.73,99.58 95.73,88.05 91.87,84.19 91.87,70.18 90.75,69.05 U20.14
/PSG/SPAREB: length 83.9
  Bottom w0.25: U20.6 70.42,81.08 71.69,82.35 71.69,97.47 76.08,101.86 76.08,118.94 75.6,119.42 75.6,147.54 P9.6
/VDP/AD0: length 81
  Top w0.25: U11.14 140.53,106.12 163.42,106.12 166.88,109.59 166.88,109.87 U10.14 ; U8.14 137.6,97.85 137.6,97.57 138.44,96.72 139.26,96.72 145.5,90.48 145.5,89.73 146.92,88.32 148.71,88.32 U6.49
  Bottom w0.25: U10.14 168.01,108.74 166.88,107.61 166.88,101.62 168.01,100.49 U7.14 ; U8.14 136.47,98.98 137.76,100.26 137.76,107.77 136.63,108.89 U11.14
/VDP/AD1: length 106.6
  Top w0.25: v1(149.58,91.76) 145.1,91.76 U8.13 ; U10.13 169.42,109.87 169.42,109.59 165.5,105.67 139.33,105.67 135.49,109.51 135.49,110.47 136.16,111.15 137.2,111.15 138.04,110.3 138.04,110.02 U11.13
  Bottom w0.25: U10.13 170.55,108.74 169.42,107.62 169.42,100.84 170.55,99.71 U7.13 ; 149.46,91.76 149.46,110.27 147.66,112.06 142.06,112.06 140.3,110.3 140.3,110.02 U11.13 ; 149.46,91.76 v1(149.58,91.76) ; 149.46,91.76 U6.50
/VDP/AD2: length 93.1
  Top w0.25: U10.12 171.96,109.87 171.96,110.15 170.67,111.45 156.12,111.45 153.57,108.89 143.68,108.89 142.84,109.74 142.84,110.02 U11.12
  Bottom w0.25: U7.12 173.09,100.49 171.96,101.62 171.96,107.61 173.09,108.74 U10.12 ; U8.12 141.55,98.98 140.58,99.94 140.58,107.77 141.71,108.89 U11.12 142.84,110.02 142.84,110.3 144.15,111.61 147.48,111.61 148.82,110.27 148.82,86.83 U6.51
/VDP/AD3: length 89.5
  Top w0.25: U11.11 145.38,110.02 145.38,110.3 146.97,111.9 172.76,111.9 174.5,110.15 174.5,109.87 U10.11
  Bottom w0.25: U8.11 144.09,98.98 143.12,99.94 143.12,107.77 144.25,108.89 U11.11 145.38,110.02 145.38,110.3 146.22,111.15 147.26,111.15 148.37,110.04 148.37,88.15 U6.52 ; U7.11 175.63,100.49 174.5,101.62 174.5,107.61 175.63,108.74 U10.11
/VDP/AD4: length 64.1
  Top w0.25: U6.53 144.22,88.97 144.09,89.1 U8.8 ; U11.8 145.38,102.4 145.38,102.12 147.74,99.76 172.29,99.76 174.5,101.97 174.5,102.25 U10.8
  Bottom w0.25: U11.8 144.25,101.27 145.26,100.26 145.26,92.53 144.09,91.36 U8.8 ; U7.8 175.63,91.58 176.76,92.7 176.76,100 175.63,101.12 U10.8
/VDP/AD5: length 65
  Top w0.25: U8.7 141.55,89.1 142.44,88.21 U6.54 ; U11.7 142.84,102.4 142.84,102.68 143.68,103.53 152.44,103.53 155.76,100.21 170.2,100.21 171.96,101.97 171.96,102.25 U10.7
  Bottom w0.25: U7.7 173.09,91.58 174.22,92.7 174.22,100 173.09,101.12 U10.7 ; U8.7 141.55,91.36 142.68,92.49 142.68,98.48 141.71,99.45 U11.7
/VDP/AD6: length 91.7
  Top w0.25: U6.55 140.66,87.45 139.01,89.1 U8.6
  Bottom w0.25: U11.6 139.17,99.55 140.14,98.58 140.14,92.49 139.01,91.36 U8.6 ; U10.6 170.55,101.12 171.68,100 171.68,92.7 170.55,91.58 U7.6 171.68,90.45 171.68,90.17 172.52,89.32 177.45,89.32 180.6,86.18 180.6,85.39 179.98,84.78 177.15,84.78 168.15,75.78 150.68,75.78 U6.55
/VDP/AD7: length 74
  Top w0.25: 176.2,99.2 177.04,98.35 177.04,98.07 U7.10 ; 176.2,99.2 177.04,100.04 177.04,107.62 178.17,108.74 U10.10 ; 176.2,99.2 149.1,99.2 147.76,97.85 U8.10
  Bottom w0.25: U6.56 141.17,88.08 143.54,88.08 145.36,89.9 145.36,91 146.63,92.27 U8.10 146.63,98.98 147.92,100.26 147.92,107.77 146.79,108.89 U11.10
/VDP/AUDIO: length 19.9
  Bottom w0.25: J13.2 186.45,145.6 180.52,139.66 180.52,136.43 178.78,134.69 J2.2
/VDP/AV: length 16.5
  Top w0.25: R20.1 R2.2
  Bottom w0.25: J13.3 191.37,146.98 188.94,144.56 R20.1
/VDP/BLUE: length 47.8
  Top w0.25: C37.1 198.59,69.16 ; 198.59,69.16 187.8,69.16 182.93,64.3 174.09,64.3 172.71,65.67 166.63,65.67 U6.24 ; 198.59,69.16 C45.1
  Bottom w0.25: C37.1 200.88,66.87 200.88,62.53 200.03,61.69 199.75,61.69 R27.2
/VDP/BOUT: length 89.3
  Top w0.25: P5.3 148.59,135.47 148.59,135.84 149.4,136.65 165.07,136.65 167.96,139.54 191.51,139.54 J13.8
  Bottom w0.25: J13.8 193.95,118.26 C58.2
/VDP/C0: length 16.7
  Top w0.25: P6.5 163.03,59.47 163.03,59.11 161.73,57.81 157.94,57.81 156.74,59 v1(156.74,59.11)
  Bottom w0.25: v1(156.74,59.11) 156.69,59.17 156.69,62.97 156.89,63.17 U6.19
/VDP/C1: length 12.5
  Top w0.25: P6.6 162.56,63.66 156.3,63.66 v1(156.14,63.51)
  Bottom w0.25: v1(156.14,63.51) 155.11,64.54 U6.18
/VDP/C2: length 21.5
  Top w0.25: v1(155.74,59.09) 157.49,57.34 163.8,57.34 165.57,59.11 165.57,59.47 P6.7
  Bottom w0.25: v1(155.74,59.09) 155.74,62.62 153.54,64.82 153.54,66.52 U6.17
/VDP/C3: length 35.1
  Top w0.25: U6.16 150.62,67.66 144.01,67.66 143.49,67.15 143.49,66.35 146.1,63.74 154.44,63.74 154.95,64.25 162.61,64.25 163.67,63.19 164.7,63.19 165.57,62.32 165.57,62.01 P6.8
/VDP/C4: length 27.8
  Top w0.25: P6.9 168.11,59.47 168.11,59.11 165.84,56.84 156.76,56.84 155.36,58.24 v1(154.57,58.24)
  Bottom w0.25: v1(154.57,58.24) 153.91,58.9 152.64,58.9 150.43,61.11 150.43,66.07 U6.15
/VDP/C5: length 24.3
  Top w0.25: P6.10 168.11,62.01 168.11,62.38 166.85,63.64 163.85,63.64 162.8,64.7 154.54,64.7 154.2,64.36 149.44,64.36 v1(149.34,64.47)
  Bottom w0.25: U6.14 149.34,65.39 v1(149.34,64.47)
/VDP/C6: length 32.6
  Top w0.25: v1(153.34,58.05) 153.96,57.42 155.39,57.42 156.43,56.39 167.89,56.39 170.65,59.15 170.65,59.47 P6.11
  Bottom w0.25: 146.21,66.73 146.21,66.25 149.68,62.78 149.68,61.14 152.78,58.05 v1(153.34,58.05)
